# Altium PCB power-v3.3.PcbDoc (part 2 of 3) (continued)
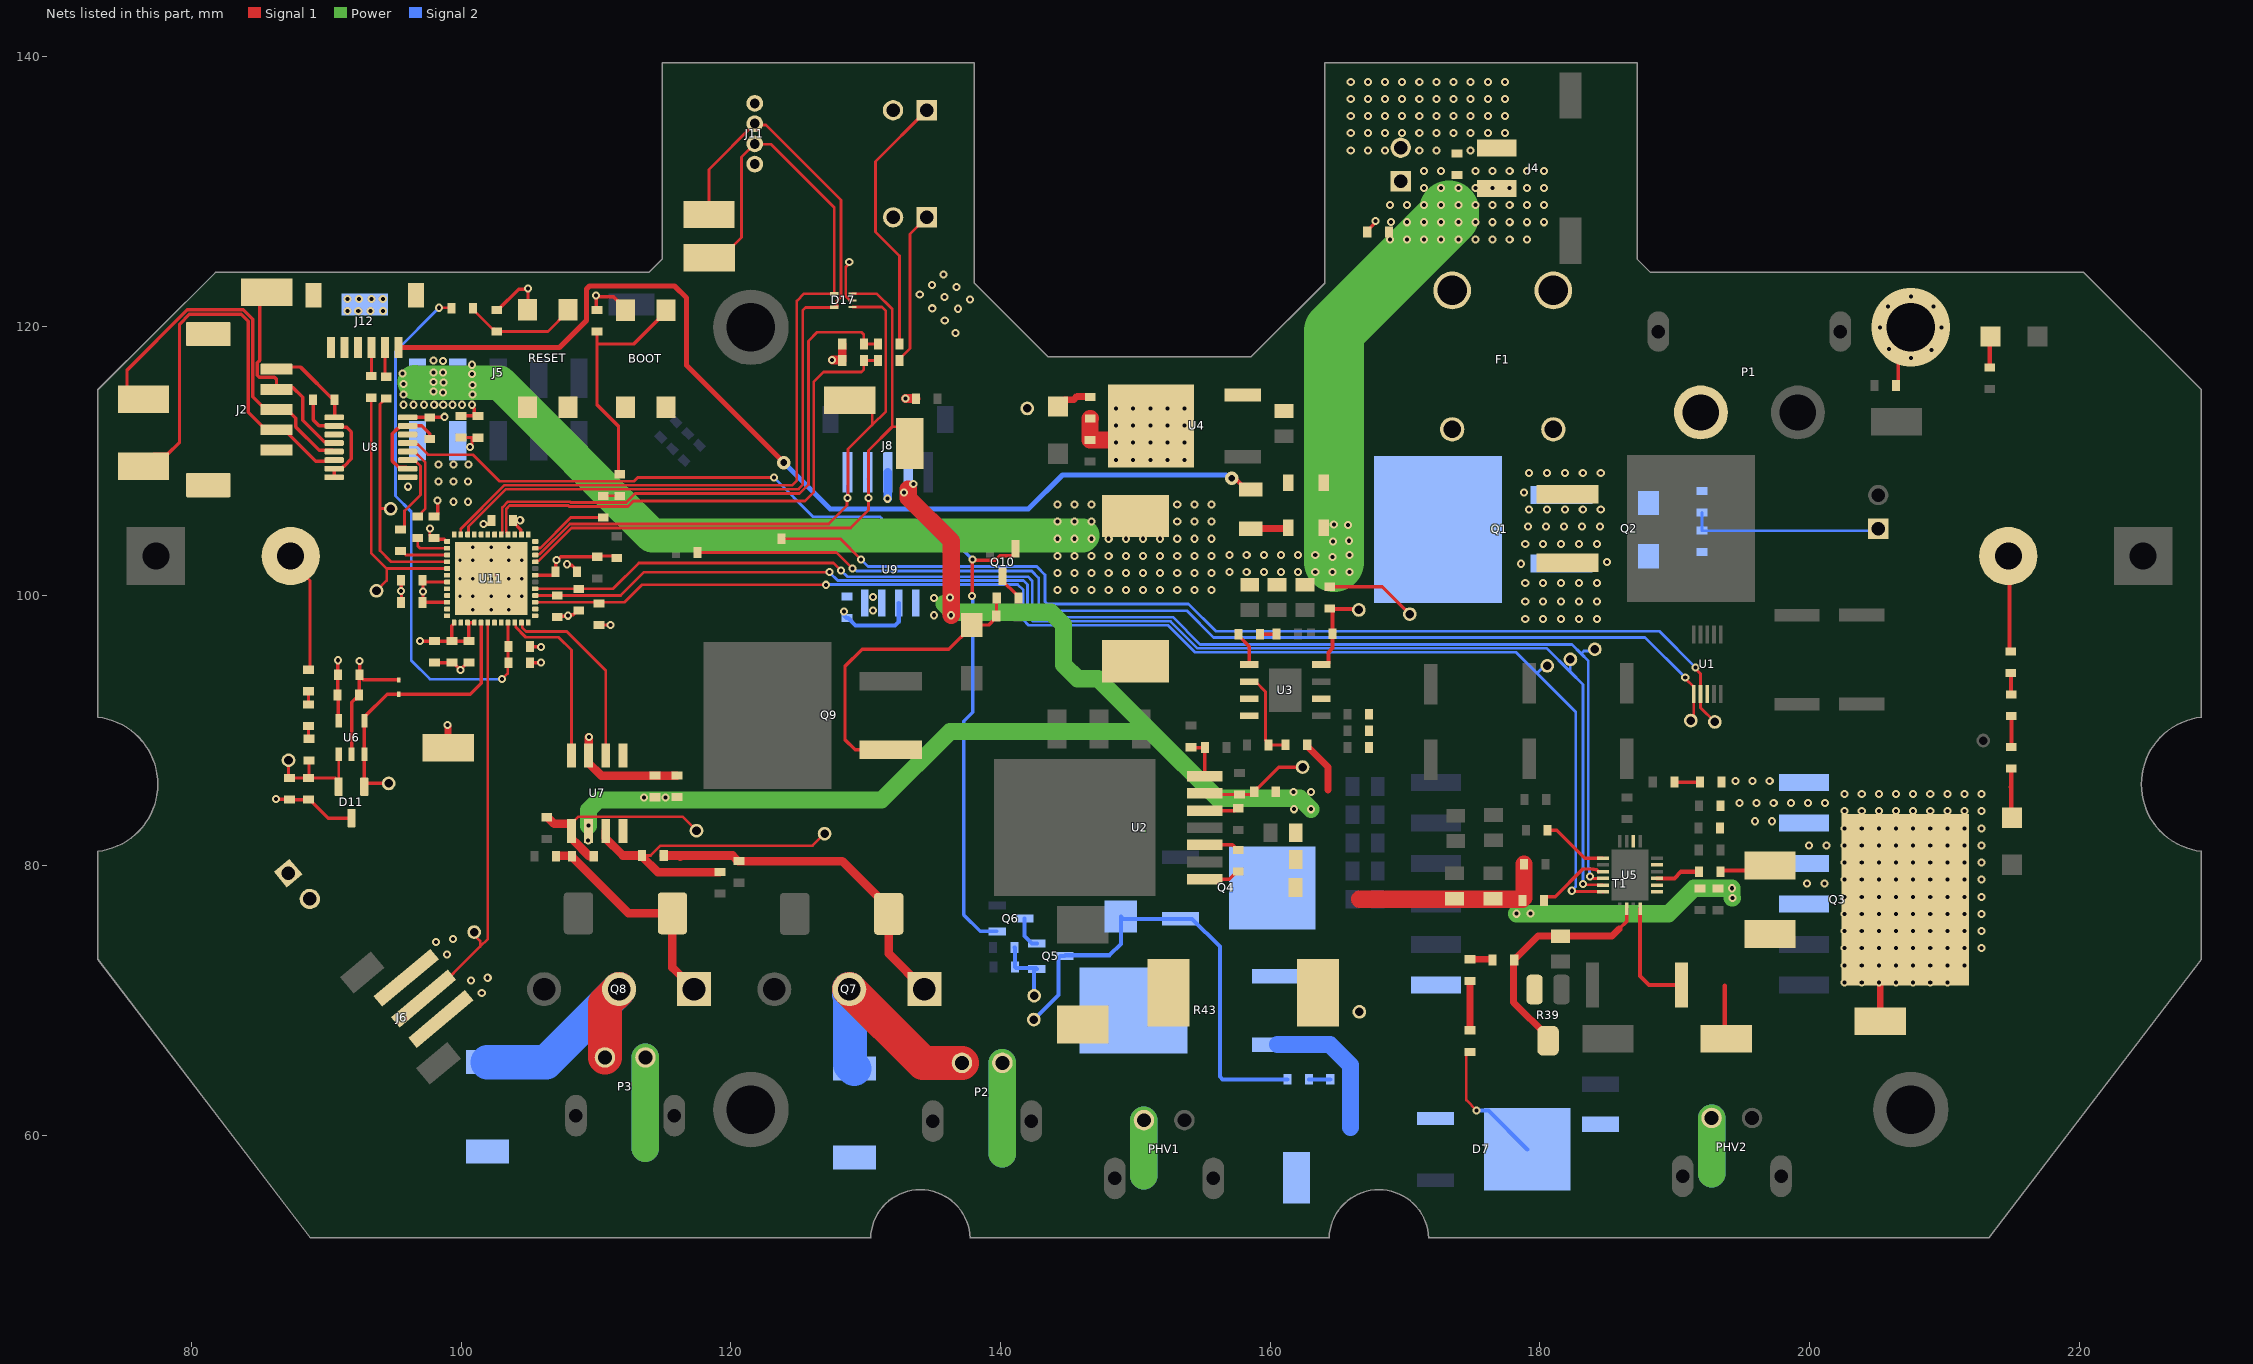
[diagram p4: the nets of this part, all layers, seen from the top]
## Nets (pads, with @x,y where several pads share a name; then routed paths per layer and width w, separated by ;. In a path a pad name is that pad's centre, name@x,y a point inside that pad or via, vN(x,y) a via of type N, cw(c..) or ccw(c..) an arc to the next point about the centre after c; other vN are vias at no path point)
3V3: 3V3.1 C16.2 C36.2 C37.1 C45.2 C53.2 C59.2 C60.2 C61.2 C62.2 C63.2 C64.2 C65.2 C66.2 J6.1 J7.2 J11.4 R5.2 R6.2 R19.2 R34.1 R35.1 R61.1 U4.2 U6.5 U8.16 U9.2 U11.1 U11.3 U11.4 U11.19 U11.26 U11.37 U11.43 U11.46 | length 42
  Signal 1 w0.203: v1(97.687,104.99) 97.688,104.988 97.688,104.488 97.887,104.29 C62.2@97.987,104.29
  Signal 1 w0.254: v1(90.877,95.231) 90.876,94.162 90.861,94.146 90.861,92.676 C37.1@90.846,92.661 90.891,92.615 90.891,90.789 U6.5@90.937,90.743 ; U8.16@96.038,113.246 96.057,113.265 98.757,113.265 v1(98.776,113.284) ; v1(96.973,96.645) 96.977,96.649 100.583,96.649 C65.2@100.587,96.653 U11.3@100.587,97.869 ; C61.2@97.157,101.16 97.18,101.136 97.18,99.544 97.204,99.52 97.217,99.533 U11.46@98.974,99.533 ; C61.2@97.284,101.033 U11.43@98.974,101.033 ; C62.2@98.059,104.207 98.75,104.207 98.924,104.033 U11.37@98.974,104.033 ; C66.2@99.326,96.662 99.326,97.805 99.489,97.968 U11.1@99.489,98.018 ; U11.3@100.489,98.018 U11.4@100.989,98.018 ; v1(104.389,105.611) 103.878,105.611 C63.2@103.862,105.595 103.862,105.495 104.441,104.917 104.441,104.596 U11.26@104.489,104.548 ; R61.1@105.128,95.047 105.14,95.06 v1(105.923,95.06) ; U11.19@105.504,101.533 106.837,101.533 107.01,101.706 C60.2@107.01,101.788 107.038,101.817 107.038,102.628 v1(107.066,102.656) 107.138,102.656 107.388,102.906 R5.2@110.105,102.906 ; R34.1@107.135,98.427 107.189,98.481 107.877,98.481 v1(107.931,98.534) 107.997,98.6 108.307,98.6 108.636,98.93 R35.1@108.736,98.93 ; R5.2@110.436,102.961 111.278,102.961 111.326,102.913 R6.2@111.326,102.846
  Signal 1 w1.27: R19.2@146.662,113.154 146.648,113.14 146.648,111.572 C16.2@146.634,111.557 148.376,111.557 v1(148.57,111.363)
  Signal 2 w0.305: v1(128.39,98.859) 128.446,98.802 128.446,98.512 128.594,98.365 128.712,98.365 129.261,97.815 132.183,97.815 132.459,98.091 U9.2@132.459,99.471
  other v1: 101.538,70.55 100.729,71.476 101.979,71.689 97.18,100.34 148.57,110.093 149.84,110.093 151.11,110.093 152.38,110.093 153.65,110.093 149.84,111.363 151.11,111.363 152.38,111.363 153.65,111.363 148.57,112.633 149.84,112.633 151.11,112.633 152.38,112.633 153.65,112.633 148.57,113.903 149.84,113.903 151.11,113.903 152.38,113.903 153.65,113.903
3V3_JETSON: C44.2 J2.5 U8.1 | length 7
  Signal 1 w0.254: J2.5@85.941,116.976 88.097,116.976 90.634,114.44 90.634,114.34 90.634,113.291 U8.1@90.588,113.246
5V: 5V.1 C11.1 C12.1 C13.1 C46.2 C47.2 C51.2 C52.2 D6.A J3.1 J4.2 J5.4 J5.5 L2.1 R15.2 | length 92.5
  Signal 1 w0.254: C51.2@100.003,113.346 100.988,113.346 100.988,113.899 100.803,114.084 v1(100.803,114.177) ; R15.2@164.415,100.679 168.322,100.679 5V.1@170.347,98.653
  Power w2.54: 96.564,115.861 96.624,115.801 102.862,115.801 114.188,104.475 146.08,104.475
  Power w4.445: 164.712,102.504 v1(164.712,105.296) 164.712,119.642 173.24,128.17 173.24,128.597
  other v1: 144.215,100.432 145.485,100.432 146.755,100.432 148.025,100.432 149.295,100.432 150.565,100.432 151.835,100.432 153.105,100.432 154.375,100.432 155.645,100.432 144.215,101.702 145.485,101.702 146.755,101.702 148.025,101.702 149.295,101.702 150.565,101.702 151.835,101.702 153.105,101.702 154.375,101.702 155.645,101.702 156.987,101.776 158.257,101.776 159.527,101.776 160.797,101.776 162.067,101.776 163.337,101.776 164.607,101.776 165.877,101.776 164.611,102.873 144.215,102.972 145.485,102.972 146.755,102.972 148.025,102.972 149.295,102.972 150.565,102.972 151.835,102.972 153.105,102.972 154.375,102.972 155.645,102.972 156.987,103.046 158.257,103.046 159.527,103.046 160.797,103.046 162.067,103.046 163.337,103.046 165.877,103.046 164.669,104.028 165.84,104.094 144.215,104.242 145.485,104.242 146.755,104.242 148.025,104.242 149.295,104.242 150.565,104.242 151.835,104.242 153.105,104.242 154.375,104.242 155.645,104.242 165.776,105.256 144.215,105.512 145.485,105.512 146.755,105.512 153.105,105.512 154.375,105.512 155.645,105.512 144.215,106.782 145.485,106.782 146.755,106.782 153.105,106.782 154.375,106.782 155.645,106.782 95.742,114.177 96.477,114.177 97.254,114.177 98.013,114.177 98.684,114.177 99.379,114.177 100.073,114.177 95.728,114.936 100.858,114.936 98.668,115.071 97.946,115.147 100.843,115.641 95.728,115.702 98.687,115.822 97.946,115.86 100.827,116.452 95.667,116.483 97.961,116.582 98.672,116.582 100.812,117.141 98.677,117.43 97.955,117.443 168.866,126.44 170.136,126.44 171.406,126.44 172.676,126.44 173.946,126.44 175.216,126.44 176.486,126.44 177.756,126.44 179.026,126.44 170.136,127.71 171.406,127.71 172.676,127.71 173.946,127.71 175.216,127.71 176.486,127.71 177.756,127.71 179.026,127.71 180.296,127.71 168.951,127.725 168.866,128.98 170.136,128.98 171.406,128.98 172.676,128.98 173.946,128.98 175.216,128.98 176.486,128.98 177.756,128.98 179.026,128.98 180.296,128.98 171.406,130.25 172.676,130.25 173.946,130.25 175.216,130.25 176.486,130.25 177.756,130.25 179.026,130.25 180.296,130.25 171.406,131.52 172.676,131.52 175.216,131.52 176.486,131.52 177.756,131.52 179.026,131.52 180.296,131.52
5V_EN: R14.1 R18.2 U3.6 | length 6.8
  Signal 1 w0.203: U3.6@158.452,93.647 158.897,93.647 159.647,92.897 159.647,89.289 159.886,89.05 R18.2@159.886,88.95 159.892,88.955 161.139,88.955 R14.1@161.145,88.961
5V_FLASH: F2.1 J12.1 | length 77.7
  Signal 1 w0.305: v4(157.143,108.728) 157.276,108.595 157.52,108.595 158.215,107.899 F2.1@158.55,107.899
  Signal 1 w0.381: J12.1@95.358,118.418 107.302,118.418 109.304,120.421 109.304,122.765 109.528,122.988 115.832,122.988 116.73,122.09 116.73,117.093 v4(123.934,109.889)
  Signal 2 w0.381: v4(123.934,109.889) 127.364,106.459 142.085,106.459 144.599,108.973 156.73,108.973 156.976,108.728 v4(157.143,108.728)
5V_VFB: 5FB.1 R15.1 R17.2 U3.4 | length 7.1
  Signal 1 w0.305: U3.4@163.786,94.917 164.231,94.917 164.319,95.006 164.319,95.818 164.631,96.13 R17.2@164.631,97.19 164.631,98.931 R15.1@164.541,99.021 ; 5FB.1@166.568,98.963 166.511,99.021 R15.1@164.541,99.021 ; R15.1@164.541,99.021 164.472,99.021 R15.1@164.415,99.079 164.484,99.079 R15.1@164.541,99.021
12V: 12V.1 C5.2 C6.2 C7.2 C8.2 C9.1 C10.1 C17.2 C21.2 C34.1 C35.2 C39.2 C40.2 J8.2 L1.2 R10.1 R14.2 R21.2 R22.2 U3.2 U5.11 U5.12 U7.6 | length 127.3
  Signal 1 w0.508: R14.2@162.745,88.961 162.745,88.861 164.284,87.321 164.284,85.61
  Signal 1 w1.27: 133.161,107.925 133.161,107.27 136.344,104.087 v1(136.344,98.569) ; 166.612,77.508 R22.2@178.712,77.508 ; R22.2@178.812,77.591 R21.2@178.812,80.105
  Power w1.27: v1(109.446,82.966) 109.446,84.128 110.19,84.872 113,84.872 112.992,84.864 115.167,84.864 131.181,84.864 136.253,89.936 151.151,89.936 ; 135.804,99.418 136.427,98.795 143.751,98.795 144.678,97.868 144.678,94.899 145.721,93.856 147.23,93.856 150.256,90.831 151.151,89.936 ; v1(163.028,84.187) 162.213,85.001 156.085,85.001 151.151,89.936 ; v1(178.268,76.439) 189.526,76.439 191.416,78.328 v1(194.231,78.328) 194.231,77.625 v1(194.264,77.591)
  other v1: 179.3,76.446 109.432,81.876 161.758,84.187 113.568,85.043 115.167,85.044 163.028,85.457 161.725,85.47 135.074,98.569 135.074,99.839 136.25,99.876 132.851,107.682 133.534,108.307
12V_BOOT: C1.2 U2.3 | length 2.7
  Signal 1 w0.254: U2.3@155.145,81.547 157.202,81.547 157.351,81.398 157.351,81.328 157.524,81.155 C1.2@157.624,81.155
12V_VFB: 12FB.1 R10.2 R13.1 U2.6 | length 8.2
  Signal 1 w0.254: U2.6@155.145,85.357 155.222,85.281 R13.1@157.72,85.281 158.639,85.281 158.812,85.454 R10.2@158.812,85.478 158.812,85.578 158.985,85.751 159.085,85.751 160.646,87.312 12FB.1@162.396,87.312
+HV: +HV.1 C22.POS C23.POS C32.1 D7.2 D12.1 D14.1 P2.1 P3.1 PHV1.2 PHV2.2 R25.2 R26.2 R42.2 R43.2 R47.2 | length 80.2
  Signal 1 w0.203: C22.POS@87.37,102.96 87.37,102.585 88.81,101.145 88.81,94.646 R47.2@88.695,94.531 ; R26.2@174.81,66.2 174.738,66.2 174.539,66.001 174.539,62.62 v1(175.306,61.853)
  Signal 1 w0.305: C23.POS@214.74,102.96 214.822,102.878 214.822,95.966 R25.2@214.903,95.885
  Power w2.032: 113.675,59.034 P3.1@113.675,65.783 ; 140.141,58.629 P2.1@140.141,65.379 ; 150.635,57.006 PHV1.2@150.635,61.134 ; 192.724,57.166 PHV2.2@192.724,61.294
  Signal 2 w0.305: v1(175.306,61.853) 176.17,61.853 D7.2@179.056,58.968
  Signal 2 w1.27: 140.124,58.613 140.141,58.629 ; R43.2@160.539,66.729 164.436,66.729 165.96,65.205 165.96,60.604
  Signal 2 w2.032: 113.675,59.034 P3.1@113.675,65.783 ; 140.141,58.629 P2.1@140.141,65.379 ; 150.635,57.006 PHV1.2@150.635,61.134 ; 192.724,57.166 PHV2.2@192.724,61.294
+VBAT: F1.3 F1.4 P1.2
/PWR_CUT: Q6.1 Q10.1 U9.8 | length 38.4
  Signal 1 w0.254: v1(137.894,99.995) 137.894,102.456 137.91,102.472 v1(137.91,102.712) 137.976,102.645 138.202,102.645 138.205,102.643 139.599,102.643 139.942,102.985 140.946,102.985 141.114,103.153 Q10.1@141.114,103.508
  Signal 2 w0.254: U9.8@133.729,104.399 136.223,104.399 v1(137.91,102.712) ; v1@137.849,100.04 v1(137.894,99.995) 137.939,99.95 137.939,91.367 137.283,90.711 137.283,76.346 138.496,75.132 Q6.1@139.743,75.132
BREAKBEAM: BKBM.1 J6.2 U11.6 | length 30.9
  Signal 1 w0.203: J6.2@97.57,70.159 101.422,74.011 ; BKBM.1@100.975,75.078 100.975,74.858 101.422,74.411 101.422,74.011 ; U11.6@101.989,98.018 101.989,74.578 101.422,74.011
CH_GND: pad.@207.496,119.92 R3.2 | length 19.2
  Signal 1 w0.254: R3.2@206.391,115.609 206.564,115.782 206.564,118.988 v3(207.496,119.92) ; pad.@209.793,119.92 ccw(c207.496,119.92) pad.@209.793,119.92
  other v1: 207.496,117.634 209.03,118.228 205.864,118.316 205.21,119.92 209.782,119.92 205.812,121.461 209.164,121.477 207.496,122.206
CHARGE: CHARGE.1 R36.2 U5.6 U11.15 | length 99.7
  Signal 1 w0.203: U11.15@105.504,99.533 112.122,99.533 113.417,100.827 v1(127.048,100.827) ; v1(182.359,78.141) 182.42,78.08 184.649,78.08 U5.6@184.672,78.057
  Signal 2 w0.203: v1(127.048,100.827) 127.069,100.849 141.276,100.849 141.695,100.43 141.695,98.218 142.086,97.827 152.417,97.827 154.42,95.824 178.216,95.824 179.697,94.344 ; CHARGE.1@180.541,94.818 180.339,94.818 179.865,94.344 179.697,94.344 ; v1(182.359,78.141) 182.359,78.161 182.656,78.458 182.656,91.385 179.697,94.344
CHIP: U7.2 U11.11 | length 14.2
  Signal 1 w0.203: U11.11@104.489,98.018 104.534,97.973 104.534,97.663 104.831,97.366 107.841,97.366 110.732,94.475 U7.2@110.732,88.172
CHIP_GATE: CHIP_G.1 R51.2 R52.1 U7.7 | length 24.3
  Signal 1 w0.203: R51.2@113.43,80.753 114.061,80.753 114.793,81.485 126.069,81.485 CHIP_G.1@126.957,82.373
  Signal 1 w0.635: U7.7@110.732,82.572 110.732,82.022 112,80.753 R51.2@113.43,80.753 113.43,80.688 114.593,79.526 R52.1@119.195,79.526
DONE: *DONE.1 R34.2 U5.5 U11.16 | length 100.5
  Signal 1 w0.203: U11.16@105.504,100.033 R34.2@107.194,100.033 ; R34.2@107.194,100.038 111.837,100.038 113.563,101.764 v1(127.324,101.764) ; v1(183.184,78.637) 183.241,78.58 184.649,78.58 U5.5@184.672,78.557
  Signal 2 w0.203: v1(127.324,101.764) 127.324,101.752 127.934,101.141 141.707,101.141 142.007,100.84 142.007,98.53 142.418,98.119 152.605,98.119 154.608,96.116 180.509,96.116 182.245,94.381 ; *DONE.1@182.257,95.302 182.245,95.289 182.245,94.381 ; v1(183.184,78.637) 183.184,93.442 182.245,94.381
EN: C57.2 R59.1 R61.2 U11.9 | length 40.5
  Signal 1 w0.203: v1(98.377,121.369) 99.262,121.369 R59.1@99.293,121.337 ; v1(103.038,93.83) 103.458,94.25 R61.2@103.458,95.065 ; U11.9@103.489,98.018 103.489,96.262 103.489,95.183 R61.2@103.496,95.175
  Signal 2 w0.203: v1@98.4,121.369 v1(98.377,121.369) 95.138,118.13 95.138,107.415 96.311,106.242 96.311,95.205 97.686,93.83 v1(103.038,93.83)
FAULT: *FAULT.1 R35.2 U5.4 U11.17 | length 101.5
  Signal 1 w0.203: U11.17@105.504,100.533 111.267,100.533 113.186,102.451 127.618,102.451 v1(128.186,101.883) ; v1(183.713,79.199) 183.82,79.199 183.963,79.057 U5.4@184.672,79.057
  Signal 2 w0.203: v1(128.186,101.883) 128.636,101.433 142.038,101.433 142.352,101.119 142.352,98.746 142.672,98.426 152.777,98.426 154.795,96.409 182.368,96.409 183.06,95.717 ; v1(183.713,79.199) 183.677,79.235 183.677,79.804 183.575,79.906 183.575,95.201 183.06,95.717 ; *FAULT.1@184.065,96.05 183.924,95.909 183.252,95.909 183.06,95.717
FB: C33.1 R33.1 R39.2 U5.8 | length 17.6
  Signal 1 w0.254: 185.878,75.316 186.425,75.863 U5.8@186.425,76.804
  Signal 1 w0.508: R39.2@180.599,67.017 180.599,67.317 178.046,69.87 178.046,72.963 R33.1@178.092,73.009 178.092,73.109 178.138,73.155 178.238,73.155 179.859,74.776 185.338,74.776 185.878,75.316
FLASH_RX: FL_RX.1 R60.2 U11.40 | length 17.7
  Signal 1 w0.203: R60.2@94.45,114.653 94.35,114.653 94.151,114.455 94.151,114.384 93.995,114.228 93.995,106.479 ; FL_RX.1@94.781,106.389 FL_RX.1@94.781,106.46 94.762,106.479 93.995,106.479 ; U11.40@98.974,102.533 94.817,102.533 93.995,103.355 93.995,106.479
FLASH_TX: FL_TX.1 R62.2 U11.41 | length 19.6
  Signal 1 w0.203: R62.2@93.341,114.694 93.341,103.182 94.49,102.033 ; FL_TX.1@93.734,100.377 94.49,101.133 94.49,102.033 ; U11.41@98.974,102.033 94.49,102.033
GEN_ES1_UNFILT: J9.1 R57.1 | length 11.5
  Signal 1 w0.203: R57.1@132.508,117.454 132.508,117.554 133.296,118.342 133.296,126.83 J9.1@134.538,128.073
GEN_ES2_UNFILT: J10.1 R58.1 | length 19.7
  Signal 1 w0.203: R58.1@132.508,118.672 132.508,125.217 130.733,126.992 130.733,132.213 J10.1@134.535,136.016
GENEVA_DIR: D17.1 G_DIR.1 J8.5 U11.22 | length 48.1
  Signal 1 w0.203: U11.22@105.504,103.033 105.571,103.099 105.836,103.099 108.07,105.333 127.259,105.333 128.625,106.699 128.625,107.238 128.701,107.314 128.701,110.887 130.486,112.671 ; G_DIR.1@128.184,113.86 G_DIR.1@128.823,114.498 129.572,114.498 130.486,113.585 130.486,112.671 ; D17.1@129.021,121.416 131.22,121.416 131.5,121.136 131.5,113.686 130.486,112.671
  Signal 2 w0.203: v1(128.651,107.263) 128.651,108.171 128.671,108.191 J8.5@128.671,108.667
GENEVA_ENCODER_A: D17.4 G_ENCA.1 J11.2 U11.35 | length 67.7
  Signal 1 w0.203: U11.35@99.989,104.548 99.989,104.983 103.219,108.213 124.566,108.213 124.898,108.546 124.898,121.877 125.438,122.416 D17.4@127.674,122.416 127.674,128.812 122.992,133.494 121.806,133.494 J11.2@121.78,133.519 120.8,132.539 120.8,126.582 119.298,125.08 G_ENCA.1@118.413,125.08
GENEVA_ENCODER_B: D17.5 G_ENCB.1 J11.3 U11.34 | length 67.2
  Signal 1 w0.203: U11.34@100.489,104.548 100.562,104.621 100.562,105.143 103.34,107.921 125.015,107.921 125.347,108.254 125.347,121.189 125.555,121.396 127.654,121.396 D17.5@127.674,121.416 127.852,121.416 127.878,121.442 127.878,121.886 128.17,122.178 128.17,129.344 122.603,134.911 121.889,134.911 J11.3@121.78,135.019 118.381,131.62 G_ENCB.1@118.381,128.28
GENEVA_END_STOP_1: C54.1 R57.2 U11.28 | length 39.3
  Signal 1 w0.203: U11.28@103.489,104.548 103.489,104.598 103.354,104.732 103.354,106.448 103.608,106.702 107.957,106.702 108.018,106.641 112.368,106.641 112.772,107.045 125.512,107.045 126.15,107.683 126.15,115.872 126.877,116.599 129.687,116.599 129.87,116.782 C54.1@129.87,117.454 R57.2@130.908,117.454
GENEVA_END_STOP_2: C55.1 R58.2 U11.29 | length 42.3
  Signal 1 w0.203: U11.29@102.989,104.548 103.062,104.621 103.062,106.569 103.487,106.994 108.078,106.994 108.139,106.933 112.247,106.933 112.906,107.593 125.099,107.593 125.759,108.252 125.759,118.903 126.41,119.554 129.684,119.554 129.87,119.368 C55.1@129.87,118.672 R58.2@130.908,118.672
GENEVA_SPEED: D17.3 G_SPD.1 J8.4 U11.21 | length 48.8
  Signal 1 w0.203: U11.21@105.504,102.533 105.577,102.606 105.756,102.606 108.191,105.041 128.889,105.041 130.212,106.364 v1(130.212,107.269) 130.212,110.783 131.976,112.548 ; D17.3@129.021,122.416 130.821,122.416 131.976,121.261 131.976,112.548 ; G_SPD.1@133.259,111.311 133.259,111.634 132.346,112.548 131.976,112.548
  Signal 2 w0.203: J8.4@130.171,108.667 130.212,108.626 v1(130.212,107.269)
GND: BOOT.1 C36.1 C37.2 C38.1 C39.1 C40.1 C45.1 C46.1 C47.1 C51.1 C52.1 C53.1 C54.2 C55.2 C56.1 C57.1 C58.1 C59.1 C60.1 C61.1 C62.1 C63.1 C64.1 C65.1 C66.1 D10.2 D11.3 D17.2 GND.1 J3.2 J4.1 J5.9 J5.10 J5.S2 J6.3 J7.1 J8.3 J9.2 J10.2 J11.1 J12.6 J12.S1 J12.S2 R4.1 R36.1 R50.2 RESET.1 U6.2 U7.3 U8.9 U8.10 U8.15 U9.3 U9.4 U11.49 | length 63.2
  Signal 1 w0.203: v1(128.787,124.771) 128.787,124.664 128.525,124.402 128.525,122.234 128.843,121.916 D17.2@129.021,121.916
  Signal 1 w0.254: v1(86.279,84.94) 86.299,84.921 87.268,84.921 R50.2@87.288,84.901 C38.1@88.693,84.901 88.793,84.901 90.165,83.53 D11.3@91.878,83.53 D11.3@91.882,83.535 ; U6.2@91.882,88.249 U6.2@91.887,88.254 91.887,90.835 91.888,90.836 91.888,92.104 92.173,92.388 92.273,92.388 92.446,92.561 C37.2@92.446,92.661 92.461,92.676 92.461,94.146 C36.1@92.476,94.161 C36.1@92.477,94.163 ; v1(92.479,95.17) 92.477,95.168 C36.1@92.477,94.163 ; D10.2@95.37,93.775 92.761,93.775 92.477,94.059 C36.1@92.477,94.163 ; C61.1@95.557,101.16 95.561,101.156 95.561,100.357 95.585,100.333 95.585,99.539 C64.1@95.604,99.52 ; U8.10@96.038,109.436 95.94,109.534 95.386,109.534 94.913,110.006 94.913,112.04 95.29,112.417 95.344,112.417 95.538,112.611 U8.15@96.038,112.611 97.104,112.611 97.674,112.04 C45.1@97.674,111.64 ; C62.1@97.987,105.89 98.087,105.89 98.26,106.063 98.26,106.852 98.333,106.926 v1@98.333,107.019 ; C59.1@98.028,95.053 98.033,95.058 99.322,95.058 C66.1@99.326,95.062 99.426,95.062 99.956,94.533 v1(99.956,94.511) 100.014,94.511 100.098,94.595 100.098,94.664 100.487,95.053 C65.1@100.587,95.053 ; C51.1@100.003,111.746 101.088,111.746 100.988,111.746 100.815,111.573 100.815,111.289 100.665,111.138 v1(100.665,111.045) ; v1(101.658,105.322) 102.089,105.322 102.262,105.495 C63.1@102.262,105.595 ; C56.1@102.643,121.206 102.743,121.206 104.286,122.748 104.928,122.748 v1(104.967,122.787) 104.967,121.23 RESET.1@104.943,121.206 ; C57.1@105.128,96.262 105.161,96.228 v1(105.923,96.228) ; v1(107.869,102.352) 107.935,102.286 108.212,102.286 108.61,101.888 C60.1@108.61,101.788 ; C58.1@110.085,121.206 110.023,121.267 v1(110.023,122.285) 110.117,122.285 110.231,122.17 111.307,122.17 112.201,121.276 BOOT.1@112.201,121.176 ; R36.1@110.233,97.849 R36.1@110.233,97.849 111.092,97.848 v1(111.093,97.847) ; C46.1@167.192,126.98 167.192,127.08 167.735,127.622 167.735,127.75 v1(167.801,127.816)
  Signal 1 w0.508: v1(98.987,90.436) 98.987,90.411 99.046,90.352 GND.1@99.046,88.732
  Signal 1 w0.635: v1(109.476,89.531) 109.469,89.525 109.469,88.179 U7.3@109.462,88.172 109.462,87.622 110.404,86.68 C40.1@116.006,86.68 ; v1(127.521,117.493) 128.253,117.493 C54.2@128.27,117.476 ; C54.2@128.27,117.454 C54.2@128.27,117.476 ; C55.2@128.27,118.672 C54.2@128.27,117.476 ; v1(132.942,114.638) 133.723,114.638 R4.1@133.737,114.624
  Signal 2 w0.635: v1(131.635,107.21) 131.635,109.153 J8.3@131.655,109.174
  other v1: 98.968,73.429 98.159,74.355 99.409,74.568 130.533,98.925 130.548,99.916 95.565,100.353 99.438,106.983 100.531,106.983 98.249,107.066 96.063,108.099 98.321,108.475 99.438,108.475 100.531,108.475 98.321,109.747 99.438,109.747 100.542,109.747 136.654,119.484 135.868,120.412 91.577,121.132 92.379,121.132 93.289,121.132 94.23,121.132 136.836,121.296 134.94,121.328 137.748,121.977 91.593,122.011 92.441,122.011 93.366,122.011 94.199,122.011 135.846,122.153 134.015,122.342 136.734,122.904 134.92,123.06 135.775,123.823 165.972,133.042 167.242,133.042 168.512,133.042 171.052,133.042 172.322,133.042 174.862,133.042 165.972,134.312 167.242,134.312 168.512,134.312 169.782,134.312 171.052,134.312 172.322,134.312 173.592,134.312 174.862,134.312 176.132,134.312 177.402,134.312 165.972,135.582 167.242,135.582 168.512,135.582 169.782,135.582 171.052,135.582 172.322,135.582 173.592,135.582 174.862,135.582 176.132,135.582 177.402,135.582 165.972,136.852 167.242,136.852 168.512,136.852 169.782,136.852 171.052,136.852 172.322,136.852 173.592,136.852 174.862,136.852 176.132,136.852 177.402,136.852 165.972,138.122 167.242,138.122 168.512,138.122 169.782,138.122 171.052,138.122 172.322,138.122 173.592,138.122 174.862,138.122 176.132,138.122 177.402,138.122
  other v2: 100.881,98.963 102.239,98.963 103.551,98.963 99.926,99.99 100.881,99.99 102.239,99.99 103.551,99.99 104.516,99.99 99.926,101.283 100.881,101.283 102.239,101.283 103.551,101.283 104.516,101.283 99.926,102.642 100.881,102.642 102.239,102.642 103.551,102.642 104.516,102.642 100.881,103.607 102.239,103.607 103.551,103.607
GND_JETSON: C44.1 J2.0 J2.1 U8.2 U8.7 U8.8 | length 8.7
  Signal 1 w0.254: C44.1@89.034,114.34 89.034,113.048 89.47,112.611 U8.2@90.588,112.611 90.686,112.513 91.519,112.513 91.873,112.159 91.873,110.166 91.337,109.63 91.282,109.63 91.088,109.436 U8.7@90.588,109.436 U8.8@90.588,108.801
HEARTBEAT: U8.13 U9.6 | length 39.1
  Signal 1 w0.203: U8.13@96.038,111.341 96.155,111.224 96.807,111.224 97.554,110.477 100.869,110.477 102.841,108.505 112.824,108.505 113.105,108.786 v1(123.196,108.786)
  Signal 2 w0.203: v1(123.196,108.786) 126.111,105.871 131.07,105.871 131.189,105.752 U9.6@131.189,104.399
HV-SENSE: D10.1 D11.1 HVM_OUT.1 U6.3 U6.4 U11.5 | length 21.2
  Signal 1 w0.254: D11.1@92.828,85.86 92.828,85.9 D11.1@92.832,85.905 ; HVM_OUT.1@94.639,86.099 93.026,86.099 D11.1@92.832,85.905 ; U11.5@101.489,98.018 101.489,93.518 100.679,92.709 D10.1@95.37,92.709 94.524,92.709 92.837,91.022 U6.4@92.837,90.743 U6.3@92.837,88.254 92.832,88.249 D11.1@92.832,85.905
HV_GATE: R38.2 U5.13 | length 3.3
  Signal 1 w0.305: U5.13@188.678,79.057 189.968,79.057 190.465,79.554 R38.2@191.797,79.554
IO0: R64.1 U11.23 | length 6
  Signal 1 w0.203: U11.23@105.504,103.533 105.527,103.556 105.88,103.556 108.135,105.811 108.552,105.811 108.565,105.823 R64.1@110.553,105.823
JETSON_HEARTBEAT: HRTBT.1 J2.4 U8.4 | length 15.6
  Signal 1 w0.254: HRTBT.1@85.078,122.585 85.078,117.459 84.902,117.283 84.902,116.351 85.052,116.201 86.169,116.201 86.318,116.052 J2.4@86.318,115.476 ; J2.4@86.318,115.317 J2.4@86.318,115.476 ; U8.4@90.588,111.341 90.49,111.439 89.861,111.439 88.259,113.041 88.259,114.724 87.507,115.476 J2.4@86.318,115.476
JETSON_RX: R68.2 U8.12 | length 5.9
  Signal 1 w0.203: U8.12@96.038,110.706 96.544,110.706 96.764,110.486 96.776,110.486 97.357,109.906 97.357,106.471 97.085,106.2 97.085,106.1 96.887,105.901 R68.2@96.787,105.901
JETSON_RX_OFFBRD: J2.3 RX_OFF.1 U8.5 | length 28
  Signal 1 w0.254: RX_OFF.1@75.235,114.858 75.235,116.743 79.711,121.219 83.861,121.219 84.559,120.52 84.559,114.775 85.518,113.817 86.214,113.817 J2.3@86.318,113.817 ; RX_OFF.1@75.617,114.856 RX_OFF.1@76.261,114.213 ; J2.3@86.318,113.703 87.22,113.703 87.753,113.17 87.753,112.529 89.482,110.8 90.494,110.8 U8.5@90.588,110.706
JETSON_TX: R65.1 U8.11 | length 6.5
  Signal 1 w0.203: R65.1@95.52,104.923 95.62,104.923 95.818,105.121 95.818,106.311 96.989,107.481 96.989,109.639 96.776,109.851 96.764,109.851 96.544,110.071 U8.11@96.038,110.071
JETSON_TX_OFFBRD: J2.2 TX_OFF.1 U8.6 | length 32.6
  Signal 1 w0.254: TX_OFF.1@76.331,109.607 77.219,110.495 78.238,110.495 79.13,111.387 79.13,120.153 79.853,120.876 83.719,120.876 84.216,120.378 84.216,113.618 85.518,112.317 J2.2@86.318,112.317 ; J2.2@86.318,112.476 86.741,112.476 89.229,109.988 90.505,109.988 U8.6@90.588,110.071
KICK: U7.4 U11.10 | length 13
  Signal 1 w0.203: U11.10@103.989,98.018 104.056,97.951 104.056,97.686 104.802,96.939 107.239,96.939 108.192,95.986 U7.4@108.192,88.172
KICK_GATE: KICK_G.1 R53.2 R54.1 U7.5 | length 15.3
  Signal 1 w0.203: U7.5@108.192,82.572 108.192,83.091 108.192,83.122 108.707,83.637 116.418,83.637 KICK_G.1@117.461,82.594
  Signal 1 w0.635: R54.1@106.355,83.593 106.42,83.593 106.914,83.099 108.184,83.099 U7.5@108.192,83.091 ; U7.5@108.192,82.572 108.192,82.022 108.702,81.512 108.713,81.512 108.951,81.274 108.951,81.263 109.508,80.705 R53.2@109.844,80.705
LT_CSP: FB_CSP.1 Q3.3 R40.2 U5.10 | length 12.3
  Signal 1 w0.305: U5.10@187.425,76.804 187.425,71.831 188.092,71.164 R40.2@190.487,71.164 ; 193.704,71.098 193.704,67.256 FB_CSP.1@193.804,67.157
NetAD_D_1: AD_D.1 D9.C Q4.1 Q5.3 R44.1 | length 35.3
  Signal 2 w0.305: AD_D.1@142.471,68.59 144.304,70.423 144.304,73.148 144.447,73.29 Q5.3@144.751,73.29 ; Q5.3@144.822,73.362 148.091,73.362 148.922,74.193 D9.C@148.922,76.234 149.096,76.06 Q4.1@153.334,76.06 154.214,76.06 156.27,74.004 156.27,64.356 156.468,64.158 R44.1@161.266,64.158
NetAD_VCC_1: AD_VCC.1 Q5.1 R45.1 R46.2 | length 5.2
  Signal 2 w0.305: R45.1@141.046,73.934 141.067,73.914 141.067,72.503 R46.2@141.087,72.482 141.158,72.411 142.63,72.411 Q5.1@142.701,72.34 142.641,72.34 142.498,72.198 AD_VCC.1@142.498,70.356
NetBOOT_2: BOOT.2
NetBOOT_3: BOOT.3 C58.2 R63.2 | length 17.3
  Signal 1 w0.254: C58.2@110.085,119.606 110.085,114.169 111.676,112.578 111.676,109.115 R63.2@111.768,109.023 ; 110.253,118.68 112.804,118.68 115.201,121.076 BOOT.3@115.201,121.176
NetBOOT_4: BOOT.4
NetC1_1: C1.1 D2.C L1.1 U2.1 | length 2.7
  Signal 1 w0.254: U2.1@155.145,79.007 155.167,78.985 156.954,78.985 157.524,79.555 C1.1@157.624,79.555
NetC14_2: C14.2 R16.2 | length 1.2
  Signal 1 w0.254: R16.2@159.251,97.155 160.442,97.155 C14.2@160.461,97.174
NetC15_1: C15.1 D4.C D6.C U4.3
NetC31_1: C31.1 R31.1 | length 1.9
  Signal 1 w0.254: C31.1@189.964,86.195 191.856,86.195 R31.1@191.861,86.201
NetC38_2: C38.2 D11.2 HVM_RAW.1 R49.1 R50.1 U6.1 | length 9.2
  Signal 1 w0.203: HVM_RAW.1@87.211,87.817 87.211,86.578 R50.1@87.288,86.501 C38.2@88.693,86.501 ; R49.1@88.727,87.81 88.727,86.534 C38.2@88.693,86.501 ; U6.1@90.937,88.254 90.932,88.249 90.932,85.865 D11.2@90.928,85.86 90.928,86.25 90.677,86.501 C38.2@88.693,86.501
NetC41_2: C41.2 D13.C Q7.1 R51.1 | length 25.5
  Signal 1 w0.635: R51.1@115.035,80.749 R51.1@115.03,80.753 120.128,80.753 120.546,80.335 C41.2@120.611,80.335 128.277,80.335 131.71,76.901 D13.C@131.71,76.431 131.71,73.482 Q7.1@134.351,70.841 ; 116.242,80.749 116.246,80.744 116.246,80.679
NetC42_2: C42.2 D15.C Q8.1 R53.1 | length 16.7
  Signal 1 w0.635: C42.2@107.159,80.789 107.159,80.764 107.176,80.747 108.227,80.747 108.244,80.729 R53.1@108.244,80.705 108.244,80.64 112.416,76.469 D15.C@115.677,76.469 115.677,72.449 Q8.1@117.28,70.846
NetC56_2: C56.2 R59.2 RESET.3 | length 8.5
  Signal 1 w0.203: R59.2@100.893,121.337 100.893,121.237 102.327,119.804 102.445,119.804 C56.2@102.643,119.606 106.443,119.606 107.943,121.106 RESET.3@107.943,121.206
NetD1_1: D1.1 Q1.3 Q2.3 R2.1
  other v1: 178.909,98.296 180.24,98.296 181.57,98.296 182.901,98.296 184.231,98.296 178.909,99.579 180.24,99.579 181.57,99.579 182.901,99.579 184.231,99.579 178.909,100.967 180.24,100.967 181.57,100.967 182.901,100.967 184.231,100.967 178.592,102.388 184.983,102.512 178.909,103.861 180.24,103.861 181.57,103.861 182.901,103.861 184.231,103.861
NetD1_2: D1.2 Q1.1 Q2.1 R1.1
  other v1: 179.121,105.137 180.452,105.137 181.782,105.137 183.113,105.137 184.443,105.137 179.183,106.396 180.514,106.396 181.845,106.396 183.175,106.396 184.506,106.396 178.826,107.659 179.184,109.12 180.514,109.12 181.845,109.12 183.175,109.12 184.506,109.12
NetD3_1: D3.1 R19.1 | length 2.7
  Signal 1 w0.508: D3.1@144.264,114.048 144.76,114.544 145.423,114.544 145.686,114.808 145.694,114.8 146.616,114.8 R19.1@146.662,114.754
NetD4_A: D4.A F2.2 | length 2.8
  Signal 1 w0.508: F2.2@158.55,104.979 158.582,105.01 161.309,105.01 D4.A@161.34,105.042
NetD5_1: D5.1 R20.1 | length 2.3
  Signal 1 w0.203: D5.1@213.349,119.195 D5.1@213.397,119.243
  Signal 1 w0.356: R20.1@213.349,116.939 D5.1@213.349,119.195
NetD7_IN: D7.3 T1.1
NetD8_1: D8.1 R29.1 | length 3.7
  Signal 1 w0.305: 214.879,85.827 214.939,85.768 ; D8.1@214.945,83.621 R29.1@214.945,87.214
NetD12_2: D12.2 P2.2 Q7.2 | length 16.7
  Signal 1 w2.54: Q7.2@128.791,70.841 134.254,65.379 P2.2@137.141,65.379
  Signal 2 w2.54: Q7.2@128.791,70.841 128.791,70.455 128.835,70.41 128.835,65.279 D12.2@129.165,64.949
NetD14_2: D14.2 P3.2 Q8.2 | length 17.5
  Signal 1 w2.54: P3.2@110.675,65.783 110.675,69.801 Q8.2@111.72,70.846
  Signal 2 w2.54: D14.2@101.957,65.43 106.304,65.43 Q8.2@111.72,70.846
NetD16_2: D16.2 Q9.1 R55.2 R56.1 | length 23.4
  Signal 1 w0.254: Q9.1@131.864,88.6 129.219,88.6 128.472,89.347 128.472,94.781 129.736,96.045 136.175,96.045 137.864,97.734 D16.2@137.864,97.844 139.117,97.844 139.683,98.41 R55.2@139.683,98.51 139.704,98.531 139.704,99.832 R56.1@139.725,99.853
NetF1_1: F1.1 F1.2 Q1.2
NetFB_D_1: FB_D.1 Q3.2 R31.2 R32.1 R37.1 T1.7 T1.8 T1.9 T1.10 | length 9.9
  Signal 1 w0.508: FB_D.1@205.226,68.479 205.226,71.219 205.146,71.299 205.146,71.317 205.171,71.342 205.147,71.365 205.147,72.533 205.226,72.612 205.226,75.618 Q3.2@207.087,77.479
  other v1: 202.588,71.342 203.858,71.342 205.128,71.342 206.398,71.342 207.668,71.342 208.938,71.342 210.208,71.342 202.588,72.612 203.858,72.612 205.128,72.612 206.398,72.612 207.668,72.612 208.938,72.612 210.208,72.612 211.478,72.612 202.588,73.882 203.858,73.882 205.128,73.882 206.398,73.882 207.668,73.882 208.938,73.882 210.208,73.882 211.478,73.882 212.748,73.882 202.588,75.152 203.858,75.152 205.128,75.152 206.398,75.152 207.668,75.152 208.938,75.152 210.208,75.152 211.478,75.152 212.748,75.152 202.588,76.422 203.858,76.422 205.128,76.422 206.398,76.422 207.668,76.422 208.938,76.422 210.208,76.422 211.478,76.422 212.748,76.422 202.588,77.692 203.858,77.692 205.128,77.692 206.398,77.692 207.668,77.692 208.938,77.692 210.208,77.692 211.478,77.692 212.748,77.692 199.814,78.672 201.084,78.672 202.588,78.962 203.858,78.962 205.128,78.962 206.398,78.962 207.668,78.962 208.938,78.962 210.208,78.962 211.478,78.962 212.748,78.962 202.588,80.232 203.858,80.232 205.128,80.232 206.398,80.232 207.668,80.232 208.938,80.232 210.208,80.232 211.478,80.232 212.748,80.232 199.961,81.505 201.231,81.505 202.588,81.502 203.858,81.502 205.128,81.502 206.398,81.502 207.668,81.502 208.938,81.502 210.208,81.502 211.478,81.502 212.748,81.502 202.588,82.772 203.858,82.772 205.128,82.772 206.398,82.772 207.668,82.772 208.938,82.772 210.208,82.772 211.478,82.772 212.748,82.772 195.94,83.296 197.21,83.296 202.588,84.042 203.858,84.042 205.128,84.042 206.398,84.042 207.668,84.042 208.938,84.042 210.208,84.042 211.478,84.042 212.748,84.042 194.792,84.648 196.062,84.648 197.332,84.648 198.602,84.648 199.872,84.648 201.142,84.648 202.588,85.312 203.858,85.312 205.128,85.312 206.398,85.312 207.668,85.312 208.938,85.312 210.208,85.312 211.478,85.312 212.748,85.312 194.495,86.268 195.765,86.268 197.035,86.268
NetJ1_1: J1.1 R1.2 R2.2 | length 14.5
  Signal 2 w0.203: R1.2@192.014,106.181 R2.2@192.014,104.844 204.95,104.844 J1.1@205.086,104.979
NetJ12_2: J12.2 R60.1 | length 2.2
  Signal 1 w0.203: J12.2@94.358,118.418 94.358,116.345 R60.1@94.45,116.253
NetJ12_3: J12.3 R62.1 | length 2.1
  Signal 1 w0.203: R62.1@93.341,116.294 93.358,116.311 J12.3@93.358,118.418
NetJ12_4: J12.4
NetJ12_5: J12.5
NetL2_2: L2.2 U3.7 U3.8
NetPMS_SCL_1: PMS_SCL.1 R67.1 U1.6 | length 81.9
  Signal 1 w0.203: R67.1@117.528,103.228 127.84,103.228 v1(129.027,102.041) ; v1(190.772,93.943) 190.772,93.883 191.41,93.244 191.41,91.204 191.187,90.98 PMS_SCL.1@191.187,90.76
  Signal 2 w0.203: v1(129.027,102.041) 129.135,102.041 129.328,101.848 142.316,101.848 142.833,101.33 142.833,99.247 143.171,98.91 153.809,98.91 155.795,96.923 187.792,96.923 v1(190.772,93.943)
NetPMS_SDA_1: PMS_SDA.1 R66.1 U1.7 | length 77.5
  Signal 1 w0.203: R66.1@123.751,104.247 128.12,104.247 v1(129.668,102.699) ; v1(191.53,94.707) 191.53,94.614 191.911,94.233 191.911,91.713 PMS_SDA.1@192.965,90.659
  Signal 2 w0.203: v1(129.668,102.699) 130.183,102.183 142.688,102.183 143.304,101.566 143.304,99.576 143.477,99.403 153.948,99.403 155.962,97.389 188.848,97.389 v1(191.53,94.707)
NetQ3_1: Q3.1 R38.1 | length 3.8
  Signal 1 w0.305: R38.1@193.397,79.554 193.497,79.654 196.689,79.654 Q3.1@197.054,80.019
NetQ4_2: Q4.2 R43.1
NetQ5_2: Q5.2 Q6.3 | length 2.4
  Signal 2 w0.305: Q6.3@141.793,76.082 141.793,74.793 142.346,74.24 Q5.2@142.701,74.24
NetQ10_3: Q10.3 R56.2 | length 2.1
  Signal 1 w0.254: Q10.3@140.164,101.458 140.164,101.103 141.116,100.152 141.127,100.152 141.325,99.953 R56.2@141.325,99.853
NetR9_1: R9.1 R12.2 U2.7 | length 3.3
  Signal 1 w0.254: R9.1@154.007,88.758 155.15,88.758 R12.2@155.156,88.764 155.156,86.638 U2.7@155.145,86.627
NetR11_2: R11.2 U2.5 | length 2.6
  Signal 1 w0.254: U2.5@155.145,84.087 157.361,84.087 157.535,84.261 R11.2@157.635,84.261
NetR16_1: R16.1 U3.5 | length 2.6
  Signal 1 w0.254: R16.1@157.651,97.155 157.651,97.055 158.452,96.254 U3.5@158.452,94.917
NetR25_1: R25.1 R27.2 | length 1.5
  Signal 1 w0.305: R27.2@214.927,92.714 R25.1@214.927,94.261
NetR26_1: R26.1 R28.2 | length 3.7
  Signal 1 w0.508: R28.2@174.803,71.459 174.806,71.456 174.806,67.803 R26.1@174.81,67.8
NetR27_1: R27.1 R29.2 | length 2.3
  Signal 1 w0.305: R29.2@214.95,88.813 R27.1@214.95,91.091
NetR28_1: R28.1 R33.2 | length 1.7
  Signal 1 w0.508: R28.1@174.804,73.06 R28.1@174.803,73.059 176.446,73.059 176.492,73.013 R33.2@176.492,73.009
NetR39_1: R39.1
NetR42_1: R42.1 R44.2 | length 1.6
  Signal 2 w0.305: R44.2@162.866,64.158 R42.1@164.448,64.158
NetR43_3: R43.3
NetR47_1: R47.1 R48.2 | length 1
  Signal 1 w0.203: R48.2@88.695,91.966 R47.1@88.695,92.931
NetR48_1: R48.1 R49.2 | length 1
  Signal 1 w0.203: R48.1@88.695,90.366 88.695,89.442 R49.2@88.727,89.41
NetR63_1: R63.1 R64.2 | length 1.2
  Signal 1 w0.203: R64.2@110.553,107.423 R63.1@111.768,107.423
NetR65_2: R65.2 U11.39 | length 3.6
  Signal 1 w0.203: R65.2@95.52,103.323 95.62,103.323 95.91,103.033 U11.39@98.974,103.033
NetR68_1: R68.1 U11.38 | length 2.8
  Signal 1 w0.203: R68.1@96.787,104.301 96.787,103.723 96.977,103.533 U11.38@98.974,103.533
NetRESET_2: RESET.2
NetRESET_4: RESET.4
NetU1_8: U1.8
NetU5_15: U5.15
NetU5_18: U5.18
NetU7_1: U7.1
NetU7_8: U7.8
NetU8_3: U8.3
NetU8_14: U8.14
NetU9_1: U9.1
NetU9_5: U9.5
NetU9_7: U9.7
NetU11_2: U11.2
NetU11_7: U11.7
NetU11_8: U11.8
NetU11_12: U11.12
NetU11_13: U11.13
NetU11_14: U11.14
NetU11_24: U11.24
NetU11_25: U11.25
NetU11_27: U11.27
NetU11_30: U11.30
NetU11_31: U11.31
NetU11_32: U11.32
NetU11_33: U11.33
NetU11_36: U11.36
NetU11_42: U11.42
NetU11_44: U11.44
NetU11_45: U11.45
NetU11_47: U11.47
NetU11_48: U11.48
OVLO1: R24.1 U5.1 | length 5
  Signal 1 w0.254: R24.1@180.571,82.629 180.578,82.622 181.241,82.622 183.305,80.557 U5.1@184.672,80.557
OVLO2: R22.1 U5.3 | length 5.1
  Signal 1 w0.254: R22.1@180.312,77.427 180.312,77.527 180.485,77.7 181.134,77.7 183.188,79.753 183.942,79.753 183.979,79.716 184.189,79.716 U5.3@184.346,79.559